# KiCad board PC110.kicad_pcb (continued)
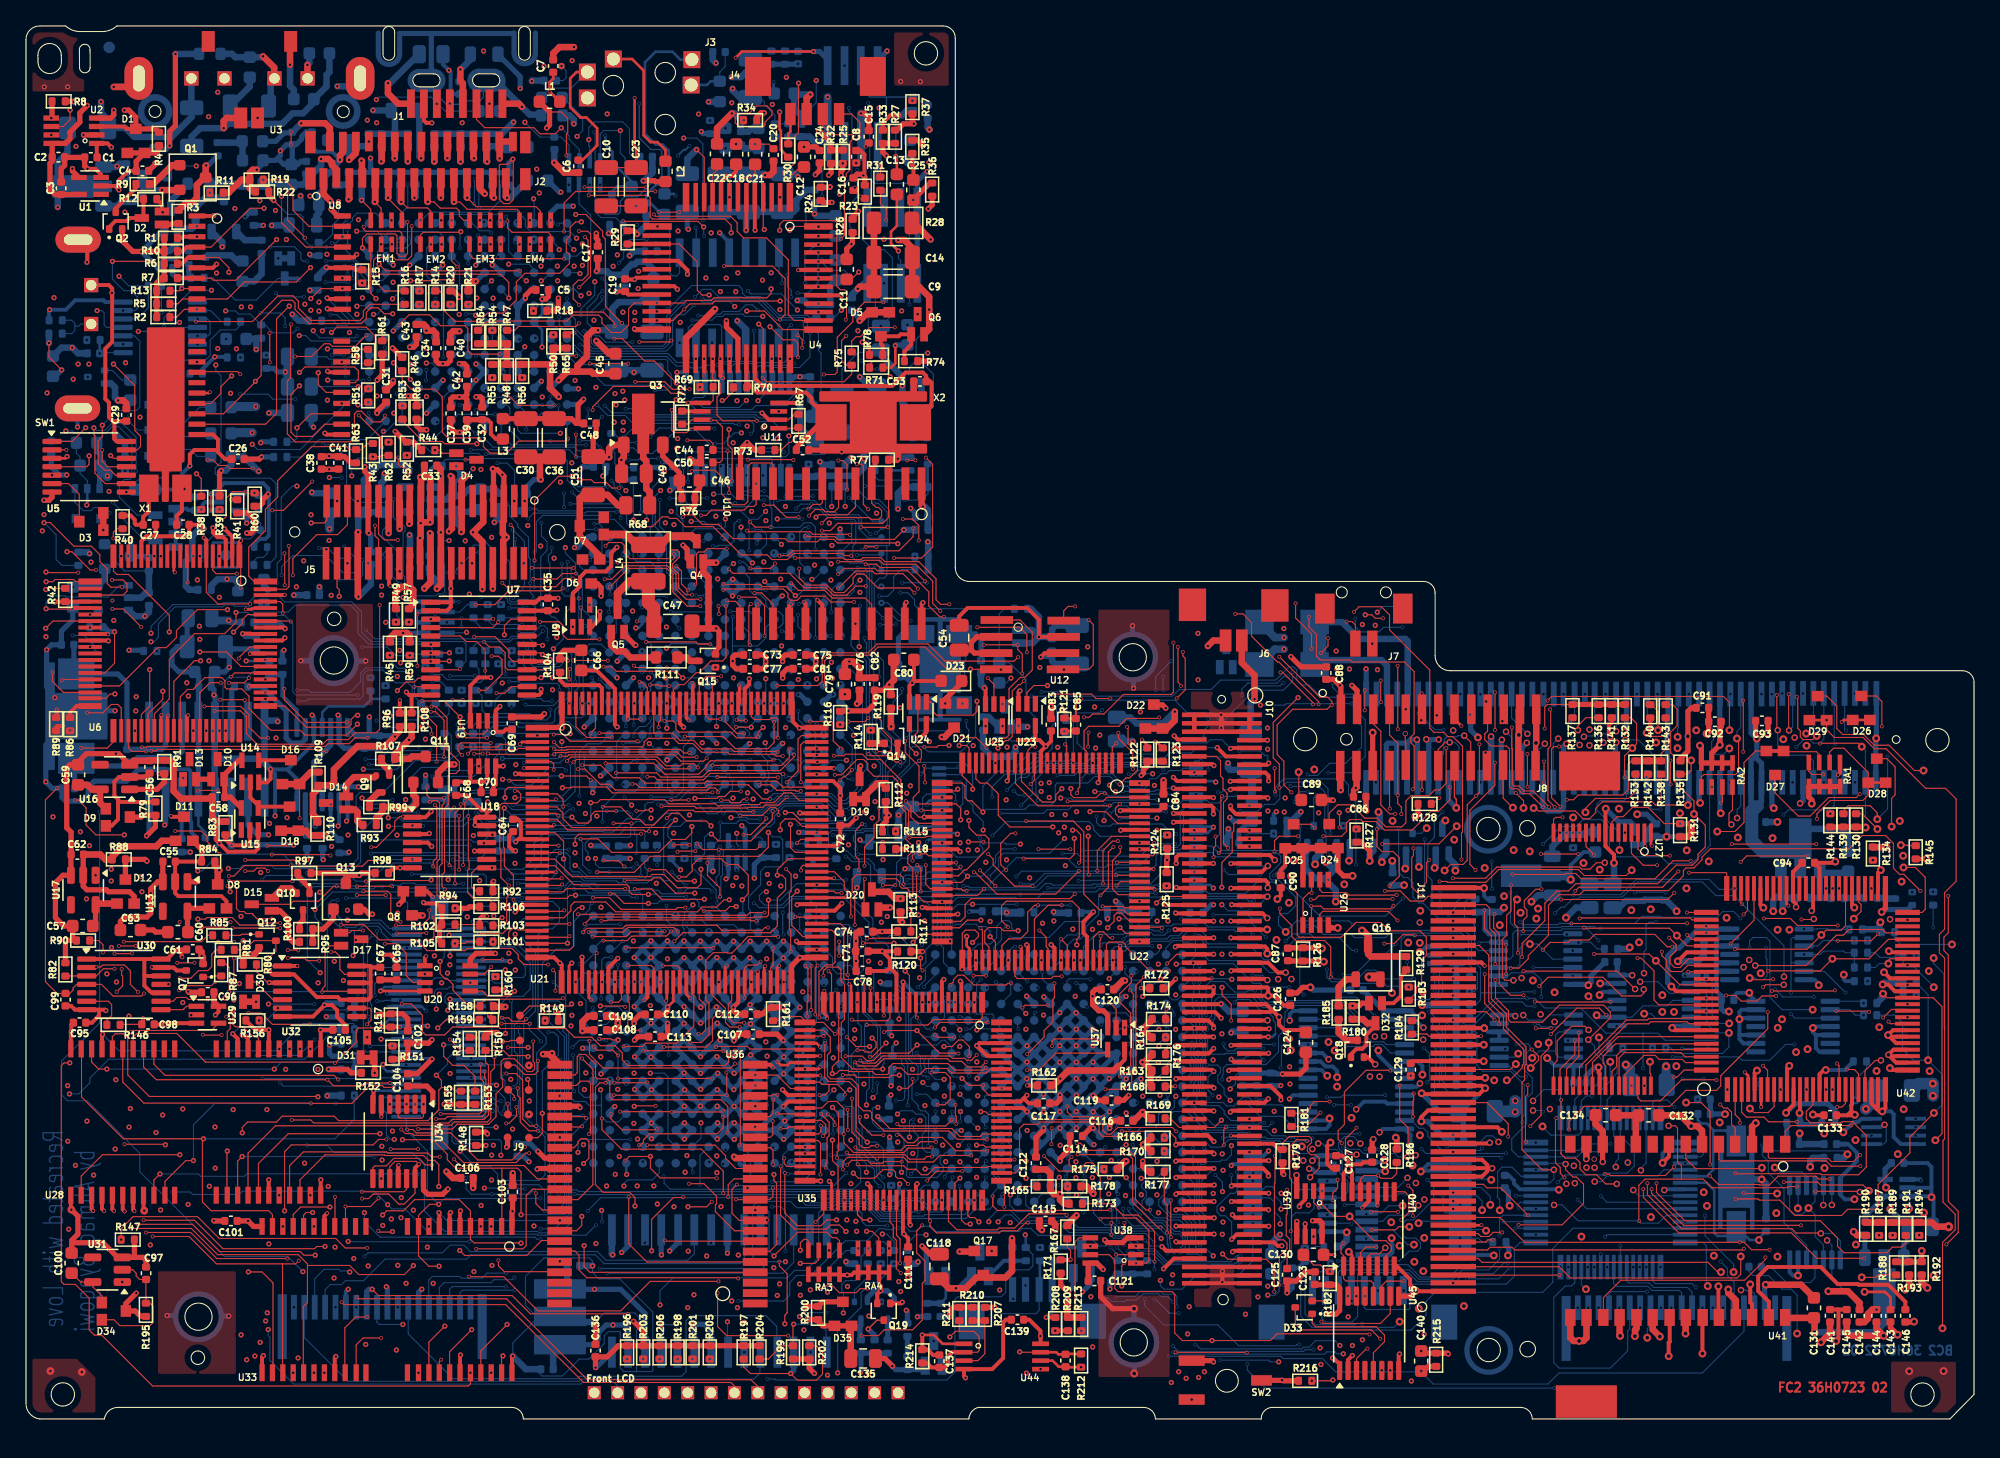
[diagram p0: board, top side]
## Routing (per net, layer and track width the routed paths; a pad name or vN(x,y) marks a point on that pad's centre or on a via; arc(x,y) is an arc through that point) (continued)
Net-(U63-14.318MHz): length 3.7
  BC2 w0.08: 15.8,47.89 U63.11
  BC2 w0.4: R357.2 15.8,47.89
Net-(U63-24MHz): length 2.8
  BC2 w0.08: 15.85,53.79 U63.6
  BC2 w0.4: 15.85,53.79 15.85,56.21 R358.2
Net-(U66-Pad1): length 8.3
  BC1 w0.08: v7(127.79,34.16) 126.71,34.16 125.12,32.57 125.12,31.09 124.3,30.27 v7(122.52,30.27)
  BC2 w0.08: v7(122.52,30.27) 122.52,30.28 U66.8 ; v7(127.79,34.16) 128.22,34.16 U66.1
Net-(U66-Pad4): length 7.9
  BC2 w0.08: U66.4 126.85,32.26 126.42,31.83 124.56,31.83 123.69,30.96 U66.9
  BC2 w0.3: v2(120.98,31.11) 121.13,30.96 U66.9
Net-(U69-Pad5): length 3.6
  BC2 w0.08: U69.7 142.97,22.49 v4(143.15,22.67) 143.29,22.53 143.29,21.39 143.08,21.19 U69.5
Net-(U70-A_VCC3#): length 89.9
  BC1 w0.08: v7(107.73,44.66) 107.41,44.66 105.45,46.62 105.04,46.62 104.76,46.34 99.35,46.34 99.12,46.57 99.12,47.04 98.09,48.07 98.09,49.07 96.62,50.54 96.62,51.37 96.27,51.72 96.27,54.45 94.88,55.84 94.24,55.84 92.03,58.05 88.94,58.05 87.77,56.88 79.85,56.88 78.47,55.5 78.47,53.66 77.02,52.21 77.02,49.49 76.61,49.08 76.61,47.82 75.61,46.82 75.61,43.73 76.03,43.31 76.03,42.62 75.13,41.72 75.13,37.93 75.35,37.71 75.35,33.84 74.73,33.22 v7(74.03,33.22) ; v7(105.5,36.61) 105.5,37.53 106.04,38.07 106.04,39.67 105.79,39.92 105.79,40.31 105.9,40.42 v7(107.59,40.42) ; v7(101.64,28.71) 101.64,32.5 101.5,32.64 v7(101.5,34.23)
  BC2 w0.08: 73.84,33.27 73.89,33.22 v7(74.03,33.22) ; U70.6 105.12,28.2 104.46,28.86 103.92,28.86 103.77,28.71 v7(101.64,28.71) ; v7(101.5,34.23) 102.35,34.23 103.68,35.56 104.45,35.56 v7(105.5,36.61) ; v7(107.59,40.42) 107.59,40.87 107.73,41.01 v7(107.73,44.66)
Net-(U70-A_VCC5#): length 48.7
  BC1 w0.08: v7(76.44,30.04) 76.44,24.98 75.5,24.04 75.08,24.04 74.87,23.83 74.87,23.53 75,23.4 75.78,23.4 76.5,24.12 83.68,24.12 84.55,23.25 85.56,23.25 86.1,22.71 86.61,22.71 87.3,23.4 89.94,23.4 90.12,23.58 90.12,25.55 90.53,25.96 91.94,25.96 v7(92.14,26.16)
  BC2 w0.08: v7(76.44,30.04) 76.38,30.1 76.38,30.73 ; v7(92.14,26.16) 92.14,26.44 92.22,26.52 92.22,27.04 92.49,27.31 95.51,27.31 96.48,28.28 96.48,29.52 96.92,29.96 96.92,30.85 96.98,30.91 96.98,31.33 97.51,31.86 100.3,31.86 100.53,31.63 101.49,31.63 103.06,30.06 103.06,29.68 103.68,29.06 104.57,29.06 104.78,28.85 U70.5
Net-(U70-A_VPP_PGM): length 50.1
  BC1 w0.08: v7(90.97,30) 90.89,30 v7(90.47,29.58) ; v7(74.97,30.09) 75.01,30.05 75.01,24.49 74.68,24.16 74.68,23.43 74.9,23.21 84.29,23.21 84.42,23.08 85.44,23.08 86.01,22.51 87.07,22.51 87.66,23.1 90.14,23.1 90.34,23.3 90.34,24.99 v7(90.66,25.31)
  BC2 w0.08: 75.11,30.73 74.97,30.59 v7(74.97,30.09) ; v7(90.47,29.58) 90.84,29.21 90.84,27.85 90.66,27.67 v7(90.66,25.31) ; U70.3 103.9,30.15 103.69,30.36 103.47,30.36 101.75,32.08 100.7,32.08 100.54,32.24 97.25,32.24 96.93,31.92 95.44,31.92 94.64,32.72 91.58,32.72 91.32,32.46 91.32,31.04 91.04,30.76 91.04,30.07 v7(90.97,30)
Net-(U70-A_VPP_VCC): length 51.5
  BC1 w0.08: v7(106.93,33.91) 106.93,33.62 106.85,33.54 106.85,30.37 107.15,30.07 v7(107.15,29.72) ; v7(94.69,40.35) 94.92,40.12 94.92,39.87 95.5,39.29 95.91,39.29 96.46,38.74 97.14,38.74 97.46,38.42 97.46,35.16 98.31,34.31 v7(100.54,34.31)
  BC2 w0.08: v7(106.93,33.91) 104.62,33.91 103.95,34.58 103.24,34.58 102.56,33.9 100.79,33.9 100.54,34.15 v7(100.54,34.31) ; U70.4 107.1,29.5 107.15,29.55 v7(107.15,29.72) ; v7(94.69,40.35) 94.61,40.28 88.05,40.28 87.47,40.85 82.66,40.85 82.43,40.62 78.4,40.62 77.89,40.11 76.31,40.11 76.22,40.2 71.75,40.2 71.01,39.46 71.01,37.22 71.3,36.93 71.3,35.81
Net-(U70-B_VCC3#): length 73.7
  BC1 w0.08: v7(82.89,54.64) 82.9,54.65 84.88,54.65 85.65,53.88 90.47,53.88 91.58,52.77 93.45,52.77 94.33,51.89 94.33,49.46 95.02,48.77 v7(97.4,48.77) ; v7(98.74,36.75) 99.6,37.61 99.6,41.75 100.58,42.73 100.58,43.22 v7(100.27,43.54) ; v7(98.42,32.7) 98.83,32.29 98.83,28.92 v7(98.76,28.85) ; v7(74.41,47.94) 71.23,47.94 70.75,47.46 70.75,43.86 71.6,43.01 71.6,40.78 70.49,39.67 v7(70.49,38.45)
  BC2 w0.08: v7(74.41,47.94) 74.41,48.7 75.4,49.69 76.94,49.69 77.95,50.7 80.35,50.7 80.67,51.02 80.67,54.13 80.95,54.41 82.66,54.41 v7(82.89,54.64) ; v7(70.49,38.45) 70.49,36.5 70.67,36.32 70.67,35.17 71.3,34.54 ; v7(100.27,43.54) 100.14,43.66 100.14,45.21 100.04,45.31 100.04,48.31 99.6,48.75 97.42,48.75 v7(97.4,48.77) ; v7(98.42,32.7) 98.12,33 98.12,36.13 v7(98.74,36.75)
Net-(U70-B_VCC5#): length 55.1
  IC3 w0.08: v1(71.92,28.71) 72.35,28.71 72.55,28.91 72.55,30.07 73.13,30.65 87.99,30.65 90.21,32.87 94.65,32.87 94.94,33.16 96.86,33.16 97.59,32.43 101.68,32.43 102.14,32.89 105.16,32.89 v2(105.22,32.83)
  BC1 w0.08: v7(102.39,29.41) 102.39,31.06 104.16,32.83 v2(105.22,32.83) ; v7(69.73,30.04) 70.29,29.48 71.15,29.48 v1(71.92,28.71) ; v7(68.8,30.62) 69.04,30.86 69.04,32.61 68.71,32.94 v7(68.71,33.29)
  BC2 w0.08: v7(102.39,29.41) 102.02,29.41 101.93,29.5 U70.27 ; v7(69.73,30.04) 69.38,30.04 v7(68.8,30.62) ; v7(68.71,33.29) 69.28,33.86 69.28,34.75 70.03,35.5 70.03,35.78
Net-(U70-B_VPP_PGM): length 97.8
  IC1 w0.08: v1(88.79,3.64) 88.82,3.67 88.82,4.42 89.26,4.86 98.35,4.86 99.59,6.1 v1(102.94,6.1)
  IC4 w0.08: v4(106.4,20.19) 105.69,20.9 105.29,20.9 104.92,21.27 104.92,22.02 104.43,22.51 103.99,22.51 103.36,21.88 103.36,20.86 102.94,20.44 v1(102.94,6.1)
  BC1 w0.08: v7(101.43,20.92) 101.43,24.7 101.7,24.97 101.7,28.13 100.84,28.99 v7(100.84,30.69) ; v7(71.77,32.79) 73.22,32.79 73.91,32.1 73.91,29.29 74.12,29.08 74.12,24.92 v7(74.55,24.49) ; v7(74.87,18.58) 74.87,16.39 75.71,15.55 v7(77.17,15.55) ; v1(88.79,3.64) 88.79,7.63 88.03,8.39 88.03,9.35 88.76,10.08 88.76,11.42 86.88,13.3 v7(86.88,13.65)
  BC2 w0.08: v7(86.88,13.65) 86.24,14.29 84.05,14.29 83.59,14.75 81.03,14.75 80.23,15.55 v7(77.17,15.55) ; v7(74.55,24.49) 74.56,24.48 74.56,18.71 74.69,18.58 v7(74.87,18.58) ; U70.29 100.55,30.8 100.57,30.78 100.62,30.78 100.71,30.69 v7(100.84,30.69) ; v7(101.43,20.92) 101.71,20.92 101.85,20.78 102.7,20.78 103.03,20.45 105.44,20.45 105.7,20.19 v4(106.4,20.19) ; v7(71.77,32.79) 71.3,33.26 71.3,33.27
Net-(U70-B_VPP_VCC): length 59.4
  BC1 w0.08: v7(102.7,29.92) 102.7,29.16 102.66,29.12 102.66,25.01 103.04,24.63 103.04,22.31 v7(102.71,21.98) ; v7(90.62,24.43) 90.62,23.11 90.39,22.88 87.8,22.88 87.19,22.27 85.97,22.27 85.35,22.89 84.32,22.89 84.18,23.03 74.76,23.03 74.55,23.24 73.02,23.24 70.26,26 70.26,27.78 69.55,28.49 69.55,29.46 69.21,29.8 69.21,33.25 v7(69.17,33.29)
  BC2 w0.08: v7(90.62,24.43) 90.95,24.43 90.99,24.39 92.22,24.39 92.49,24.12 93.06,24.12 93.74,24.8 94.17,24.8 94.77,24.2 96.73,24.2 97.78,23.15 97.78,22.23 98.04,21.97 102.7,21.97 v7(102.71,21.98) ; v7(69.17,33.29) 69.17,33.35 70.04,34.22 U74.R1 ; U70.28 102.12,30.15 102.35,29.92 v7(102.7,29.92)
Net-(U70-SHDN#): length 57.9
  BC1 w0.08: v7(134.31,20.66) 134.24,20.66 133.11,19.53 133.11,16.3 135.89,13.52 135.89,11.72 134.99,10.82 133.09,10.82 128.5,15.41 128.5,20.21 128.06,20.65 127.37,20.65 127.13,20.41 127.13,19.76 126.11,18.74 122.32,18.74 122.2,18.86 118.69,18.86 117.7,19.85 113.47,19.85 112.47,20.85 v7(112.15,20.85)
  BC2 w0.08: v7(112.15,20.85) 111.99,20.69 109.06,20.69 107.98,21.77 107.98,22.07 107.65,22.4 107.31,22.4 106.71,23 U70.14 ; 134.38,20.73 v7(134.31,20.66) 140.04,20.66 v2(140.3,20.4)
  BC2 w0.5: R363.1 140.02,20.12 v2(140.3,20.4)
Net-(U72-A6): length 42.8
  IC3 w0.08: v2(112.46,14.51) 112.81,14.86 145.61,14.86 146.19,15.44 v2(146.19,15.9)
  BC1 w0.08: v7(145.55,21.84) 145.51,21.8 145.51,16.58 v2(146.19,15.9)
  BC2 w0.08: U72.9 112.39,14.59 v2(112.46,14.51)
Net-(U74-CS#): length 68.3
  FC2 w0.08: v3(83.96,12.66) U38.2
  FC1 w0.08: v3(83.96,12.66) 83.96,7.35 v1(82.16,5.55)
  IC4 w0.08: v1(62.52,3.55) 63.05,3.55 64.07,4.57 80.08,4.57 81.06,5.55 v1(82.16,5.55)
  BC1 w0.08: v7(65.56,13.64) 65.56,15.95 65.46,16.05 65.46,18.79 65.58,18.91 65.58,19.72 65.8,19.94 65.8,22.05 66.48,22.73 66.48,24 v7(67.02,24.54) ; v7(71.07,31.32) 71.06,31.33 v7(70.45,31.33) ; v7(67.45,27.89) 68.28,27.89 v7(68.3,27.87) ; v7(72.69,31.33) 72.69,31 73,30.69 v7(73.25,30.69)
  BC2 w0.08: v7(70.45,31.33) 68.7,31.33 68.16,30.79 68.16,28.54 68.3,28.4 v7(68.3,27.87) ; v7(67.02,24.54) 67.51,24.54 67.67,24.7 67.67,25.23 67.72,25.28 67.72,25.63 67.68,25.67 67.68,27.13 67.45,27.36 v7(67.45,27.89) ; 73.84,30.73 73.29,30.73 v7(73.25,30.69) ; v7(72.69,31.33) 72.68,31.32 v7(71.07,31.32) ; v1(62.52,3.55) 62.52,6.81 64.33,8.62 64.33,9.74 65.12,10.53 65.6,10.53 66.36,11.29 66.36,13.38 66.1,13.64 v7(65.56,13.64)
Net-(U74-INTR#): length 16.4
  FC2 w0.08: v1(70.71,28.7) 71.33,28.7 71.83,29.2 72.16,29.2 72.66,28.7 v3(72.66,27.95)
  FC2 w0.3: v3(77.11,25.7) R162.1
  FC1 w0.08: v3(72.66,27.95) 72.66,27.46 73.4,26.72 75.7,26.72 76.72,25.7 v3(77.11,25.7)
  BC1 w0.08: v1(70.71,28.7) 71.29,28.12 71.94,28.12 72.43,28.61 v7(72.43,30.04)
  BC2 w0.08: v7(72.43,30.04) 72.75,30.04 73.08,30.37 73.39,30.37 73.7,30.06 74.51,30.06 75.11,29.46 75.11,29.43
Net-(U74-SYSCLK): length 44.7
  IC1 w0.08: v1(50.77,19.01) 51.47,19.71 68.82,19.71 v1(69.26,19.27)
  IC4 w0.08: v1(50.77,19.01) 50.77,19.06 50.04,19.79 50.04,37.66 50.42,38.04 v1(50.42,42.32)
  BC2 w0.08: 49.72,43.02 R317.1 ; v1(69.26,19.27) 69.27,19.28 U74.C1
  BC2 w0.2: v1(50.42,42.32) 49.72,43.02
Net-(U75-INT): length 9
  FC2 w0.08: R204.1 57.19,4.62 58.21,5.64 R199.2 59.08,7.25 v1(59.13,7.3)
  BC2 w0.08: v1(59.13,7.3) 61.16,7.3 61.63,6.83 61.63,5.17
Net-(U75-P1B0): length 12
  FC2 w0.08: R197.1 55.28,4.02 55.8,3.5 v1(58.9,3.5) 59.41,2.99 60.89,2.99 61.35,3.45 61.35,5.18 60.89,5.64 R202.2
  BC2 w0.4: v1(58.9,3.5) 59.13,3.73 U75.17
Net-(U76-A30): length 4.5
  BC1 w0.08: v7(62.76,31.8) 64.28,31.8 64.53,31.55 v7(64.93,31.55)
  BC2 w0.08: v7(64.93,31.55) 64.94,31.54 R395.2 ; U76.T6 62.75,31.81 v7(62.76,31.8)
Net-(U76-CLK_CPU): length 51.8
  IC4 w0.08: v1(42.87,28.57) 44.44,28.57 44.87,29 44.87,59.24 44.95,59.32 44.95,66.41 44.82,66.54 44.82,68.76 45.33,69.27 v1(46.79,69.27)
  BC1 w0.08: v7(46.07,72.37) 45.56,72.88 v7(45.56,73.4)
  BC2 w0.08: R252.2 46.79,72.34 v1(46.79,69.27) ; v7(46.07,72.37) 46.08,72.36 ; v7(45.56,73.4) 45.36,73.6 45.36,74.45 45.09,74.72 R253.1
  BC2 w0.4: 46.08,72.36 R252.2 ; U76.A9 43.67,28.57 v1(42.87,28.57)
Net-(X1--): length 5
  FC2 w0.3: X1.2 9.46,69.95 9.03,69.52 C27.1 8.47,68.91 8.38,69 8.38,69.3 8.06,69.62 R40.2
unconnected-(C51-+-Pad1): length 9.4
  FC2 w0.5: R68.1 45.6,70.41 44.8,71.22 42.91,71.22 42.66,70.97 D7.2 42.66,68.05 44.19,66.51 D6.3
unconnected-(C131-Pad1): length 14
  FC2 w0.5: v2(137.77,6.68) 137.77,7.74 C131.1 135.54,7.79 U41.28
  BC2 w0.5: v2(137.77,6.68) 142.44,6.68 143.14,7.38 Q37.2
unconnected-(C132-Pad1): length 4.1
  FC2 w0.5: U41.10 124,23.19 C132.1 122.45,23.4 C134.2
unconnected-(D4-Pad1): length 16.1
  FC1 w0.08: v3(42.58,63.23) 42.35,63.46 42.29,63.46 40.66,65.09 40.65,65.09 40.2,65.54 40.2,66.18 39.21,67.17 39.21,69.27 38.11,70.37 37.17,70.37 35.04,72.5 v1(35.04,73.17) 35.04,73.55 34.94,73.65 34.12,73.65 33.89,73.42 v3(33.15,73.42)

## Copper pours and planes (outline as drawn; the poured copper is in the pictures)
GND on FC2: 94.4,11.9 94.4,8.62 92.96,8.62 92.96,8.98 91.34,8.98 91.34,8.62 89.97,8.62 89.97,11.9
GND on FC2: 66.87,106.92 66.87,102.74 71.18,102.75 71.19,106.58 70.78,106.92
GND on FC2: 0.25,102.29 4.48,102.29 4.49,106.56 3.58,106.57 2.88,106.97 0.67,106.98 0.28,106.59
GND on FC2: 143.66,4.42 143.66,0.26 148.09,0.26 148.66,0.84 148.66,4.4
GND on FC2: 20.8,62.84 20.8,55 26.73,55 26.73,62.81
GND on FC2: 82.59,62.37 82.59,56.06 88.09,56.06 88.09,62.37
GND on FC2: 10.17,3.47 10.17,11.38 16.17,11.38 16.17,3.47
GND on FC2: 0.28,4.63 3.91,4.63 5.35,3.21 5.35,0.34 0.9,0.34 0.28,0.99
GND on FC2: 93.86,56.04 93.86,54.99 94.48,54.99 94.48,52.84 89.73,52.85 89.73,56.05
GND on FC2: 82.62,9.55 82.61,3.23 88.09,3.23 88.1,9.55
GND on BC2: 66.78,106.83 66.78,102.66 71.02,102.66 71.02,106.17 70.43,106.84
GND on BC2: 12.81,49.79 12.81,51.98 12.4,51.98 12.4,51.27 11.67,50.54 8.87,50.54 8.11,49.79
GND on BC2: 13.78,51.97 22.64,51.97 22.64,51.79 21.72,50.9 21.72,46.88 18.98,46.88 18.98,49.76 13.78,49.76
GND on BC2: 0.06,102.18 0.05,106.29 0.63,106.91 2.61,106.91 3.11,106.41 4.49,106.41 4.49,102.17
GND on BC2: 0.43,4.48 4.11,4.48 5.49,3.09 5.49,0.27 1.07,0.27 0.41,0.9
GND on BC2: 143.74,4.28 143.74,0.25 148.05,0.25 148.74,0.92 148.74,4.27
GND on IP2: 1.16,1.39 1.03,105.61 70.15,105.49 70.12,64.3 71.35,63.2 107.31,63.23 107.39,57.41 107.86,56.64 108.59,56.27 148.93,56.21 149.04,2.55 147.71,1.17 117.31,1.13 116.99,1.66 116.42,2.09 115.82,2.16 94.85,2.21 94.36,2.04 94.14,1.78 93.92,1.44 87.68,1.43 87.47,1.78 87.25,1.95 86.77,2.15 86.34,2.22 72.95,2.24 72.2,2.14 71.71,1.83 71.37,1.44 71.14,1.34 39.71,1.34 39.24,2.07 38.79,2.29 38.1,2.32 5.68,2.37 5.06,2.12 4.77,1.68 4.61,1.39
(no net) on BC2: 132.66,55.01 132.66,47.3 132.43,47.02 132.43,44.38 133.58,43.25 135.84,43.25 135.84,44.25 133.97,44.25 133.43,44.78 133.43,46.63 133.85,47.06 133.87,52.19 133.55,52.5 133.55,53.95 133.1,54.43 133.1,55.01
PNET1 on IP1: 58.3,105.57 58.35,97.11 53.08,97.11 44.55,88.83 44.65,80.9 70.13,80.72 70.09,64.31 70.22,63.96 70.19,63.79 69.65,63.15 53.97,63.01 51.07,66.05 40.5,66.06 38.68,67.99 38.72,72.54 37.08,74.19 35.59,74.22 34.89,73.61 34.9,66.78 39.13,62.52 49.28,62.48 51.97,59.7 83.45,59.52 83.66,58.01 84.1,57.46 84.82,57.06 85.77,56.98 86.39,57.29 86.85,57.76 87.08,58.29 87.08,58.9 87.06,59.36 86.91,59.6 93.91,59.58 95.44,58.09 98.01,58.08 98.25,58.26 98.24,63.23 107.31,63.23 107.39,57.41 107.61,57.06 107.86,56.64 108.21,56.46 108.59,56.27 148.92,56.19 149.04,2.54 147.71,1.18 117.31,1.13 117.16,1.38 116.98,1.67 116.75,1.84 116.42,2.1 115.81,2.16 94.85,2.21 94.36,2.04 94.14,1.79 93.92,1.44 87.68,1.43 87.47,1.78 87.25,1.95 86.77,2.15 86.33,2.22 72.95,2.24 72.2,2.14 71.71,1.83 71.37,1.44 71.15,1.34 61.15,1.37 61.18,13.48 44.57,13.52 43.93,12.96 43.86,12.77 43.91,6.84 41.92,4.81 41.84,4.67 41.88,1.34 39.71,1.34 39.44,1.75 39.24,2.07 39.08,2.15 38.78,2.29 38.1,2.32 5.95,2.37 5.68,2.37 5.33,2.23 5.06,2.12 4.9,1.9 4.74,1.67 4.64,1.45 4.61,1.39 4.19,1.39 4.24,1.72 4.2,2.22 4.07,2.6 3.82,2.9 3.59,3.09 3.3,3.23 3.02,3.29 2.7,3.29 2.41,3.23 2.07,3.07 1.84,2.87 1.66,2.64 1.48,2.27 1.44,1.98 1.45,1.76 1.46,1.52 1.48,1.38 1.16,1.39 1.04,103.38 1.27,103.29 1.55,103.2 1.89,103.17 2.26,103.24 2.6,103.4 2.9,103.66 3.1,103.98 3.23,104.39 3.23,104.77 3.21,105.34 3.19,105.6 3.61,105.59 3.62,104.08 3.65,103.88 3.79,103.61 3.96,103.43 4.24,103.28 4.51,103.23 4.81,103.26 5.08,103.42 5.26,103.59 5.4,103.85 5.45,104.2 5.45,105.27 5.48,105.59 27.2,105.57 27.28,105.07 27.46,104.68 27.78,104.48 28.2,104.4 28.56,104.48 28.78,104.74 28.98,104.98 29.17,105.4 29.04,105.57 37.65,105.6 37.7,104.92 37.97,104.55 38.48,104.37 38.98,104.38 39.2,104.59 39.4,104.83 39.47,105.61 ; 5 cut-outs
PNET2 on IP1: 36.17,43.87 35.3,43.02 31.47,43.05 30.63,43.8 30.61,47.19 31.1,47.55 35.53,47.52 36.17,46.94
PNET3 on IP1: 42.4,1.39 42.39,4.52 44.43,6.58 44.4,12.63 44.85,12.97 60.66,12.93 60.67,1.36
PNET4 on IP1: 35.43,73.44 35.66,73.68 36.89,73.68 38.17,72.34 38.17,67.75 40.38,65.57 50.75,65.56 53.89,62.49 69.77,62.49 70.72,63.41 71.2,63.2 71.42,63.17 97.65,63.12 97.65,58.61 95.65,58.61 94.1,60.13 86.33,60.15 85.9,60.4 85.48,60.5 85.15,60.5 84.78,60.43 84.45,60.28 84.23,60.15 52.34,60.21 49.57,63 39.36,63.04 35.43,66.97
PNET5 on IP1: 63.39,81.33 45.12,81.37 45.08,88.34 53.38,96.55 62.9,96.52 62.94,87.07 63.43,85.34 63.43,81.33
PNET5 on IP1: 94.93,42.89 85.22,42.93 82.31,45.84 82.3,47.31 83.64,48.71 106.41,48.67 113.34,41.82 117.98,41.79 117.98,41.24 118.94,40.28 127.56,40.24 128.67,39.14 128.71,36.83 125.56,33.7 124.58,33.7 117.16,26.32 113.19,26.35 113.19,20.44 106.71,20.48 106.14,19.72 104.39,19.71 103.79,20.25 103.76,25.24 102.48,26.64 102.48,27.49 104.09,27.49 106.71,30.06 107.04,30.39 107.04,35.83 101.21,41.69 101.2,43.63 101.17,43.75 101.09,43.84 100.96,43.89 96.01,43.9
PNET5 on IC1: 41.56,64.14 42.19,63.5 42.19,58.52 41.45,57.77 35.34,57.76 32.73,55.18 32.74,53.46 33.24,52.96 33.26,50.32 32.76,50.3 32.75,52.77 32.24,53.27 32.22,55.35 35.12,58.25 41.2,58.25 41.7,58.74 41.7,61.67 41.24,61.67 41.24,62.09 40.52,62.09 40.52,61.67 39.29,61.67 38.94,61.32 38.69,61.32 37.92,60.54 27.19,60.54 26.96,60.76 26.96,62.39 27.23,62.62 29.37,62.62 29.61,62.87 36.07,62.87 37.3,64.14
PNET5 on IC1: 120.09,51.5 120.11,52.17 120.94,52.18 121.37,51.73 125.97,51.74 126,53.67 126.11,53.79 127.97,53.79 128.2,53.59 128.21,52.65 127.84,52.4 126.77,52.4 126.77,51.41 125.39,49.99 121.59,49.99
PNET5 on IC1: 74.83,38.65 74.75,38.74 74.76,40.09 74.91,40.26 84.53,40.26 84.63,40.17 84.63,39.31 84.58,39.27 81.84,39.27 81.84,38.5 80.5,38.5 79.54,37.55 77.47,37.55 77.03,37.97 77.03,38.6 76.74,38.92 76.07,38.92 75.82,38.65
PNET5 on IC1: 137.09,19.79 138.13,19.79 138.13,19.05 138.21,18.98 139.38,18.98 141.31,20.86 141.31,21.69 140.89,22.14 140.89,22.62 140.13,23.42 138.06,23.42 138.03,23.47 138.03,23.82 137.84,24.05 135.46,24.05 134.96,23.54 133.78,23.54 133.03,24.3 132.6,24.3 132.53,24.23 129.29,24.23 128.53,25 127.45,25 126.06,23.6 119.21,23.58 117.81,24.97 117.58,24.97 116.55,25.98 116.55,27.79 116.78,28.01 117,28.01 117.13,28.14 118.31,28.14 118.43,28.02 120.85,28.02 120.85,26.95 121.12,26.68 122.12,26.68 122.57,26.24 125.23,26.24 125.74,26.73 127.37,26.73 128.61,27.94 132.86,27.96 132.91,27.9 136.21,27.9 136.3,27.83 137.52,27.83 137.52,26.05 138.11,25.44 141.54,25.44 141.74,25.2 142.54,25.2 142.54,23.4 142.66,23.25 142.86,23.18 143.15,23.19 143.68,23.19 143.69,22.1 143.69,20.54 141.69,18.52 140.67,18.49 139.44,17.26 138.03,17.26 137.91,17.4 137.07,17.4 136.82,17.63 136.82,19.52
PNET5 on IC2: 102.14,42.35 103.52,40.98 103.54,39.52 104.04,38.99 105.56,38.95 106.04,38.53 106.09,36.4 106.22,36.23 106.65,36.22 106.72,36.13 106.71,35.48 106.62,35.35 105.27,35.37 105.1,35.47 105.05,35.71 105.05,36.5 105,36.61 104.67,36.61 102,39.31 102,41.47 101.88,41.59 101.36,41.59 101.28,41.6 101.23,41.66 101.22,42.2 101.27,42.28 101.35,42.34
PNET5 on IC2: 105.97,26.76 106.9,25.87 106.84,20.93 105.36,19.56 104.53,19.54 104.3,19.78 104.28,20.39 105.23,21.32 105.23,22.2 104.79,22.2 104.79,24.36 104.04,25.14 104.03,25.39 103.1,26.14 103.11,26.78
PNET5 on IC2: 119.73,51.49 120.07,51.73 120.1,52.13 120.59,52.13 120.83,51.71 120.82,50.57 120.47,50.17 111.64,50.17 111.2,50.67 111.21,52.68 111.31,52.79 112.16,52.79 112.28,52.62 112.28,52.01 112.63,51.61
PNET5 on IC3: 45.56,76.98 45.55,75.51 44.14,74.1 37.19,74.09 36.81,73.73 32.26,73.74 30.99,72.48 30.8,72.36 30.2,72.36 30.08,72.57 30.09,74.55 31.52,76.01 31.53,76.52 31.9,76.92 39.39,76.93 40.88,75.45 42.16,75.46 43.91,77.19 45.31,77.19 45.55,77.01
PNET5 on IC4: 45.44,77.37 44.95,77.87 44.95,79.24 46.23,80.54 46.21,84.39 45.58,85.02 45.58,85.59 45.82,85.83 46.06,85.85 46.73,86.52 46.71,87.27 47.02,87.61 47.11,87.72 47.15,87.81 47.15,87.95 47.09,88.07 46.64,88.51 44.78,88.52 44.19,87.91 44.19,84.38 44.35,84.19 44.42,84.12 44.41,83.84 44.39,83.75 44.34,83.67 44.34,82.94 44.16,82.74 44.15,81.81 43.21,80.85 43.19,78.93 43.27,78.84 43.3,78.77 43.29,76.66 43.49,76.45 45.4,76.43 45.47,76.43 45.47,76.57 45.49,76.62 45.55,76.68 45.58,76.75 45.58,76.98 45.53,77.03 45.45,77.08
PNET6 on IP1: 63.91,81.33 63.94,85.42 63.45,87.66 63.44,96.97 63.38,97.05 58.84,97.05 58.88,105.48 67.96,105.47 68.03,105.04 68.2,104.63 68.44,104.38 68.81,104.06 69.22,103.94 69.6,103.89 69.92,104 70.13,104 70.18,81.33
PNET7 on IP1: 37.3,29.5 37.27,20.26 39.12,18.37 40.96,18.37 43.08,20.58 43.08,26.47 40.16,29.5
PNET8 on IP1: 79.63,6.11 80.81,7.21 80.76,10.3 76.88,14.17 75.42,14.17 71.43,10.33 71.43,9.22 74.56,6.11
PNET9 on IP1: 85.65,24.16 85.51,24.04 81.34,24.05 81.36,17.11 82,16.46 83.98,16.46 85.13,17.6 85.13,20.56 85.19,20.68 85.26,20.74 85.42,20.79 94.2,20.74 95.24,21.73 96.98,21.75 97.63,22.38 97.61,26.31 93.52,26.3 93.15,26.6 92.5,27.29 92.43,33.77 91.03,34.49 88.95,34.53 88.46,34.53 87.7,33.71 87.72,27.41 86.77,26.72 86.47,26.57 85.65,26.57
PNET10 on IP1: 81.37,24.6 81.33,36.37 83.03,38.32 97.7,38.32 100.64,35.39 100.65,34.63 97.86,31.82 97.86,26.8 93.71,26.81 93.03,27.45 93.06,34.2 93.06,34.6 91.83,34.95 91.56,35.03 89.15,35.03 88.34,35.07 87.18,33.95 87.16,27.74 86.46,27.17 85.55,27.17 85.15,26.78 85.15,24.59
PNET12 on IP1: 118.54,42.73 118.54,41.45 119.13,40.84 127.74,40.81 129.2,39.39 129.21,36.63 125.8,33.15 125.15,33.16 124.99,33.15 124.88,33.16 124.81,33.16 117.33,25.75 113.71,25.77 113.74,20.46 135.21,20.4 140.05,15.59 143.97,15.59 143.98,46.81 120.91,46.89 120.57,46.59 120.57,44.74

## Text on the board
BC2: BC2 36H0732 02 | Recreated with Love / by Ahmad Byagowi
B.Silkscreen: MADE IN KiCad | 2025 | MONOLITH
FC2: FC2 36H0723 02
FC1: FC1 36H0723 01
IP1: IP1 36H0724 01
IC1: IC1 36H0726 01
IC2: IC2 36H0726 01
IC3: IC3 36H0726 01
IC4: IC4 36H0723 01
IP2: IP2 36H0724 01
BC1: BC1 36H0732 01
